# Altium PCB Driver_BLDC.PcbDoc (part 1 of 3)
Units mm, origin at the board's own origin, x right, y up, seen from the top; angles counter-clockwise.
Board outline 199.8 x 169.8 mm, 2 copper layers (Top Layer, Bottom Layer), stack 1.371 mm thick; 322 components, 137 nets, 857 pads, 186 vias.
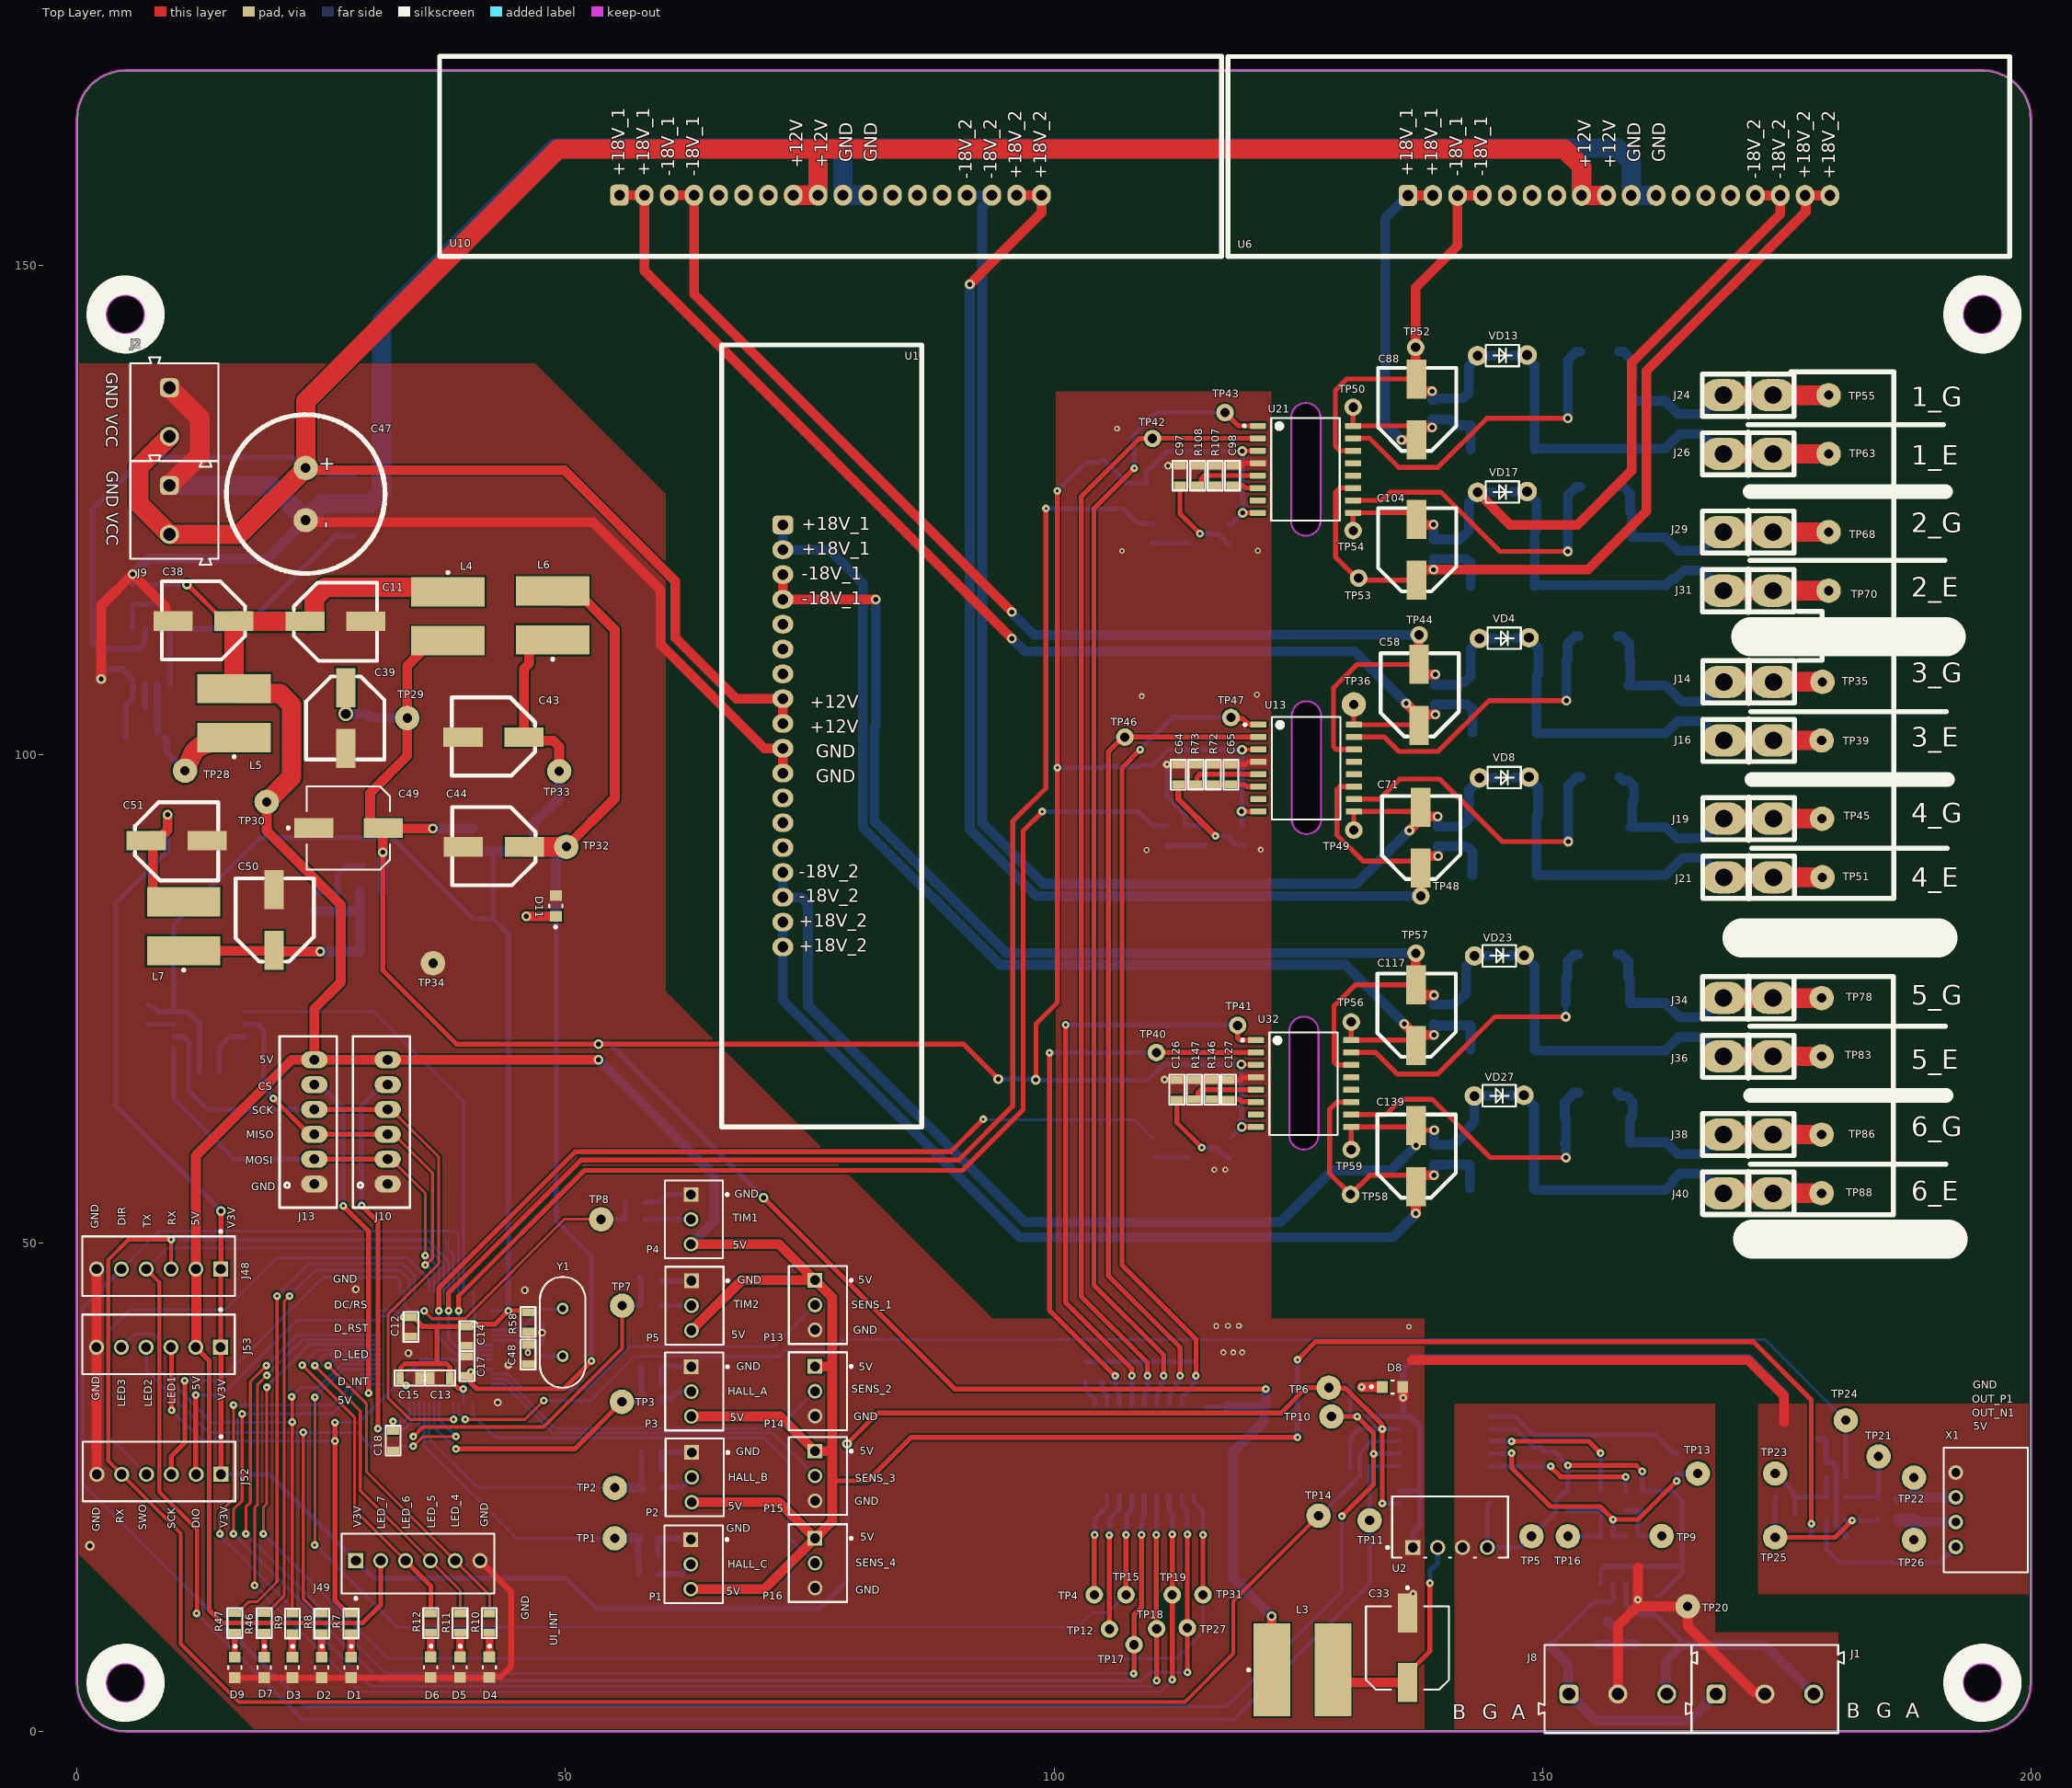
[diagram p0: Top Layer view]
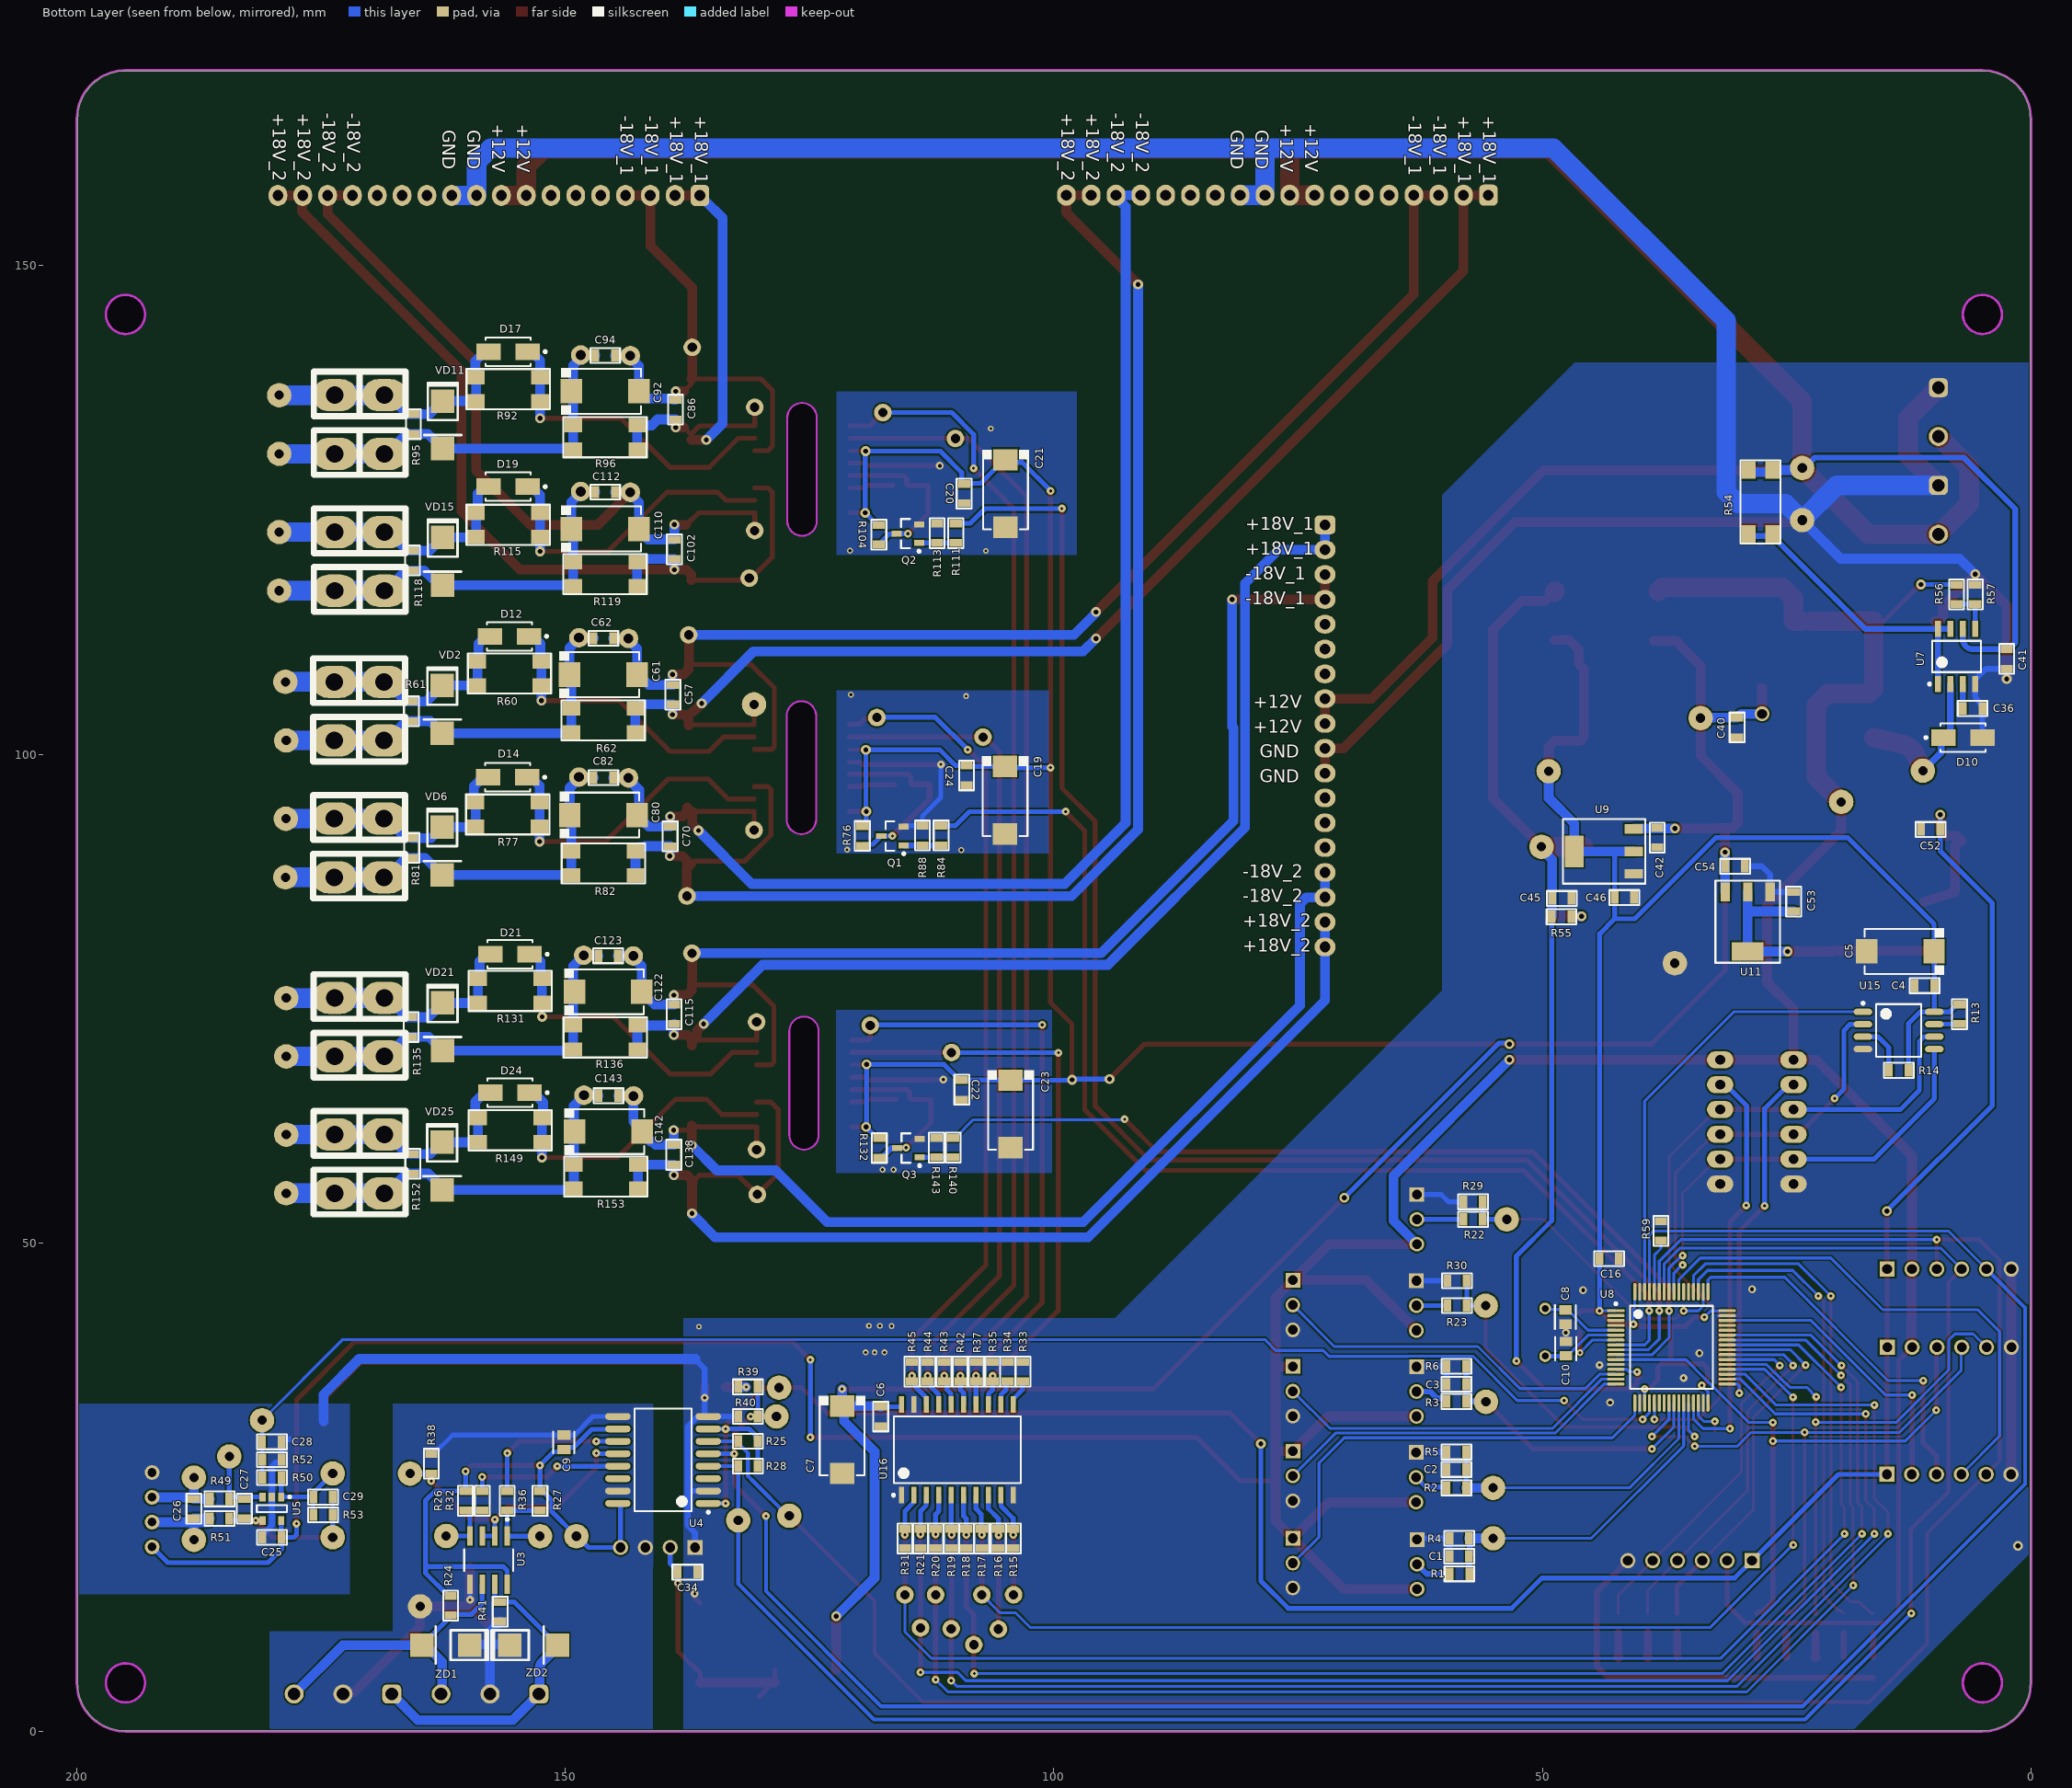
[diagram p1: Bottom Layer view, seen from below]
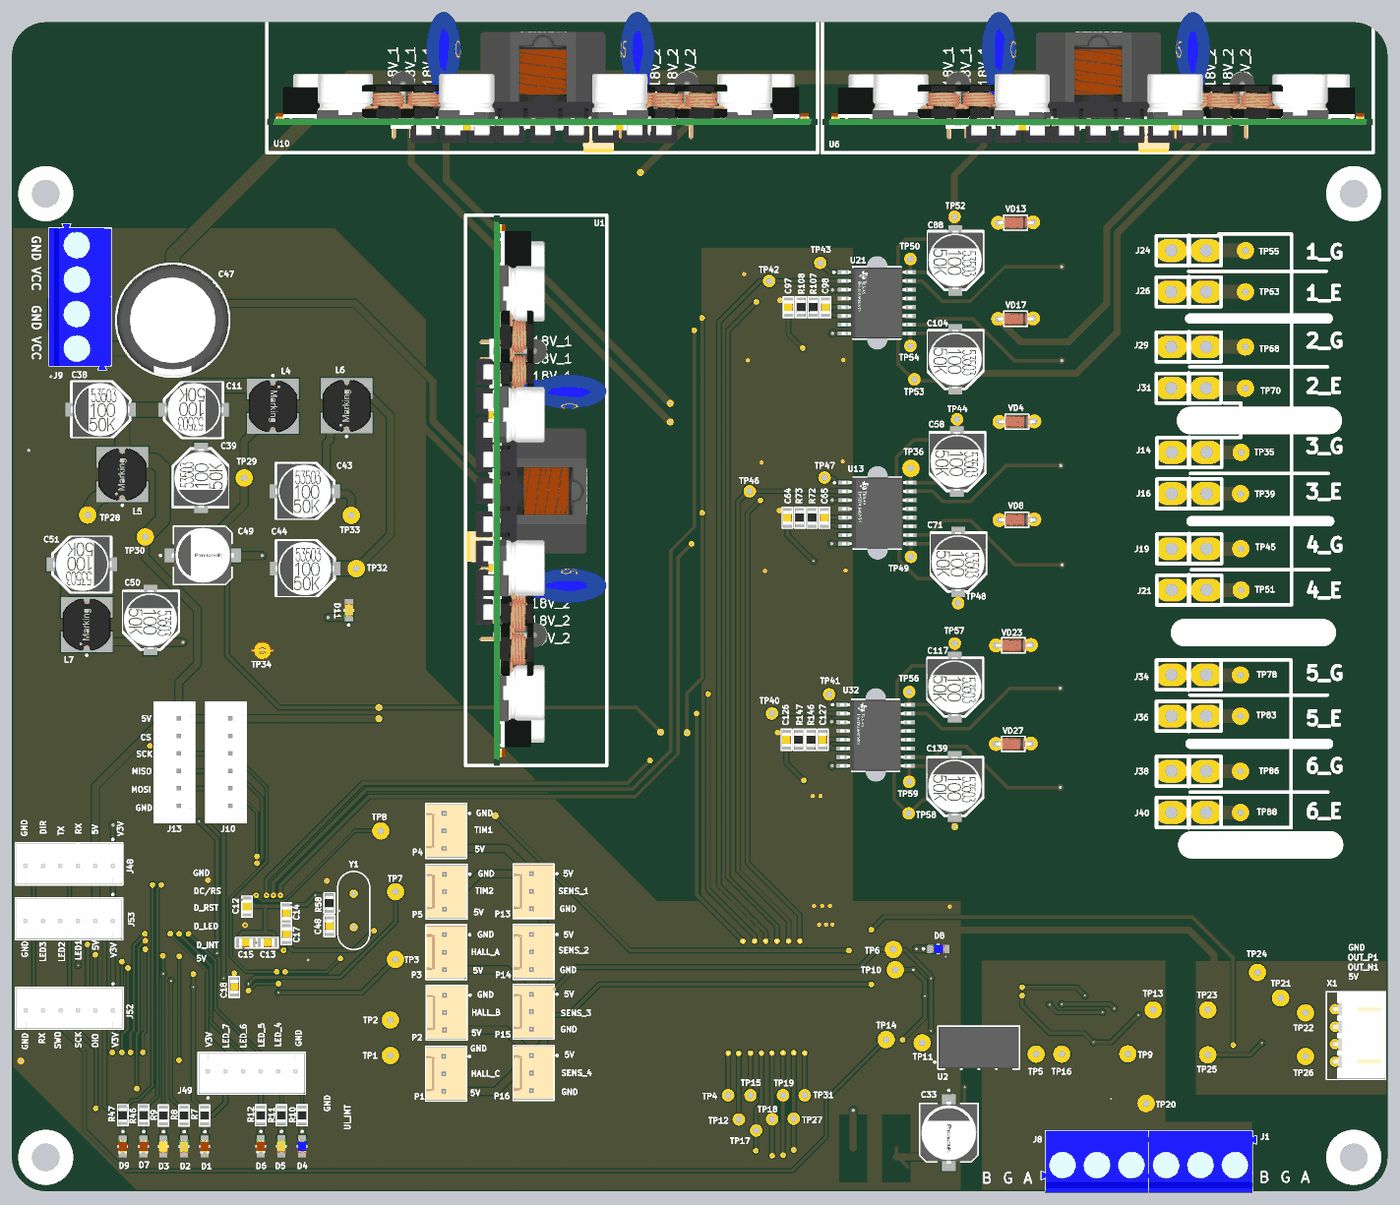
[diagram p4: 3D render of the assembled board from above, using the file's embedded part models]
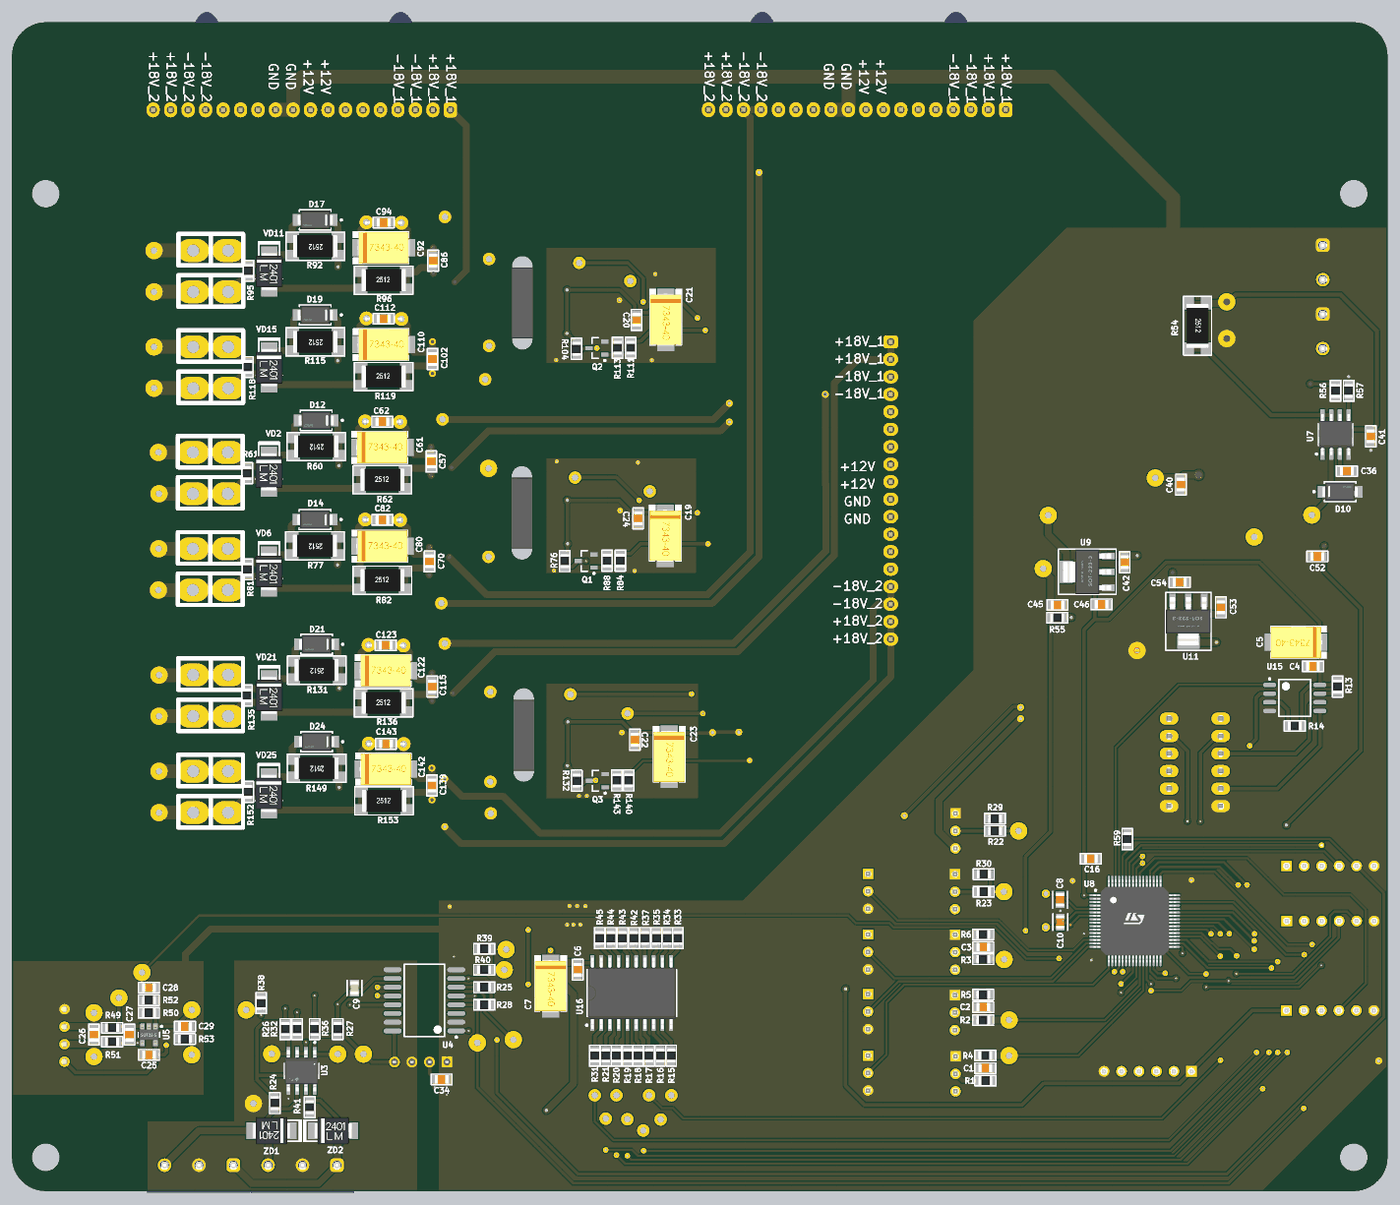
[diagram p5: 3D render of the assembled board from below, using the file's embedded part models]

## Layer stack, top to bottom
Top Solder: solder mask 0.0102, Solder Resist, Dk 3.5
Top Layer: signal copper 0.0356
Dielectric 1: dielectric 1.3, FR-4, Dk 4.8
Bottom Layer: signal copper 0.0356
Bottom Solder: solder mask 0.0102, Solder Resist, Dk 3.5

## Board outline
5,0.1 cw(c5,5) 0.1,5 0.1,5.006 0.1,164.997 0.1,165 cw(c5,165) 5,169.9 195.013,169.9 cw(c195,165) 199.9,165 199.9,164.997 199.9,5 199.9,4.997 cw(c195,5) 195.002,0.1 195,0.1
cut-out: 5,3 cw(c5,5) 3,5 cw(c5,5) 5,7 cw(c5,5) 7,5 cw(c5,5)
cut-out: 193,5 ccw(c195,5) 195,3 ccw(c195,5) 197,5 ccw(c195,5) 195,7 ccw(c195,5)
cut-out: 5,143 cw(c5,145) 3,145 cw(c5,145) 5,147 cw(c5,145) 7,145 cw(c5,145)
cut-out: 195,143 cw(c195,145) 193,145 cw(c195,145) 195,147 cw(c195,145) 197,145 cw(c195,145)
cut-out: 124.275,123.848 124.275,134.447 cw(c125.775,134.447) 127.275,134.447 127.275,123.848 cw(c125.775,123.848)
cut-out: 124.337,93.333 124.337,103.932 cw(c125.837,103.932) 127.337,103.932 127.337,93.333 cw(c125.837,93.333)
cut-out: 124.075,61.059 124.075,71.658 cw(c125.575,71.658) 127.075,71.658 127.075,61.059 cw(c125.575,61.059)

## Design rules (kind name [scope] priority, off if disabled: settings)
Clearance HV [InNetClass('All Nets') vs InNetClass('HV')] p1: gap=0.2 ignorepadtopadclearanceinfootprint=TRUE except(0: Text-Text Text-Hole; 0.4: THPad-THPad THPad-Via THPad-Fill THPad-Poly THPad-Region THPad-Text THPad-Hole Via-Via Via-Fill Via-Poly Via-Region Via-Text Via-Hole; 0.5: SMDPad-SMDPad SMDPad-THPad SMDPad-Via SMDPad-Fill SMDPad-Poly SMDPad-Region SMDPad-Text SMDPad-Hole Fill-Fill Fill-Poly Fill-Region Fill-Text Fill-Hole Poly-Poly Poly-Region Poly-Text Poly-Hole Region-Region Region-Text Region-Hole)
Clearance Clearance_1 [All] p2: gap=0.18 ignorepadtopadclearanceinfootprint=TRUE
Clearance GND [InNet('GND')] p3: gap=0.4 ignorepadtopadclearanceinfootprint=TRUE except(0.3: Text-Text Text-Hole)
ComponentClearance [All] p1: gap=-2.254 collisioncheckmode=3 verticalgap=0.254 showdistances=FALSE
DiffPairsRouting [All] p1: maxlimit=0.254 minlimit=0.1 mostfreqgap=0.254 toplayer_minwidth=0.3 toplayer_maxwidth=2 toplayer_prefwidth=0.3 bottomlayer_minwidth=0.3 bottomlayer_maxwidth=2 bottomlayer_prefwidth=0.3 maxuncoupledlength=12.7
Height [All] p1: minheight=0 maxheight=100 prefheight=12.7
HoleSize [All] p1: absolutevalues=TRUE maxlimit=5 minlimit=0.025 maxpercent=80.000 minpercent=20.000
HoleToHoleClearance [All] p1: gap=0 allowstackedmicrovias=TRUE
LayerPairs [All] p1 off: enforce=TRUE
MinimumSolderMaskSliver [All] p1: minsoldermaskwidth=0.01
PlaneClearance [All] p1: clearance=0.4
PlaneConnect [All] p1: planeconnectstyle=Direct reliefexpansion=0.508 reliefentries=4 reliefconductorwidth=0.254 reliefairgap=0.254
PolygonConnect [All] p1: connectstyle=Direct reliefconductorwidth=0.254 reliefentries=4 polygonreliefangle="90 Angle" airgapwidth=0.254
RoutingCorners [All] p1: cornerstyle=45-Degree minsetback=0.2 maxsetback=0.2
RoutingVias [All] p1: holewidth=0.4 width=0.8 viastyle="Through Hole" minholewidth=0.254 minwidth=0.5 maxholewidth=0.75 maxwidth=1.5
ShortCircuit [All] p1: allowed=TRUE
SilkToSilkClearance [All] p1 off: silktosilkclearance=0.01
SilkToSolderMaskClearance [All] p1: minsilkscreentomaskgap=0 clearancetoexposedcopper=FALSE
SolderMaskExpansion [All] p1: expansion=0 istentingtop=FALSE
UnRoutedNet [All] p1: checkbadconnections=TRUE
Width [All] p1: maxlimit=10 minlimit=0.254 preferedwidth=2
16 further rules are at their usual default settings.

## Components (designator, comment, footprint, x,y, rotation, side; value= is the part's Value field where it differs from the comment)
C1 "330pF" CAP-0805 58.522,17.957 r180 bottom
C2 "330pF" CAP-0805 58.826,26.832 r180 bottom
C3 "330pF" CAP-0805 58.823,35.552 r180 bottom
C4 "100n" CAP-0805 10.925,76.33 r180 bottom
C5 "CAP-POLAR" CAP-TAN-D 13.4,79.83 r0 bottom
C6 "100n" CAP-0805 117.725,32.25 r90 bottom
C7 "CAP-POLAR" CAP-TAN-D 121.675,29.875 r270 bottom
C8 "16pF" FP-GRM21B-0_1-IPC_C 47.66,42.42 r270 bottom
C9 "C0805C224K5RACTU" FP-C0805C-DN-MFG 150.147,29.604 r90 bottom value="0.22 μF"
C10 "16pF" FP-GRM21B-0_1-IPC_C 47.627,39.186 r90 bottom
C11 "330uF 16V" CAP_SMD_Size_E 26.55,113.614 r180 top
C12 "CAP-NON-POLAR" CAP-0805 34.213,41.42 r270 top
C13 "CAP-NON-POLAR" CAP-0805 37.22,36.186 r180 top
C14 "CAP-NON-POLAR" CAP-0805 39.953,40.465 r270 top
C15 "CAP-NON-POLAR" CAP-0805 34.064,36.186 r0 top
C16 "CAP-NON-POLAR" CAP-0805 43.189,48.387 r180 bottom
C17 "CAP-NON-POLAR" CAP-0805 39.953,37.42 r270 top
C18 "2,2uF 6,3V" CAP-0805 32.385,29.769 r90 top
C19 "CAP-POLAR" CAP-TAN-D 105.004,95.301 r270 bottom
C20 "CAP-NON-POLAR" CAP-0805 109.184,126.67 r90 bottom
C21 "CAP-POLAR" CAP-TAN-D 104.953,126.67 r270 bottom
C22 "CAP-NON-POLAR" CAP-0805 109.425,65.674 r90 bottom
C23 "CAP-POLAR" CAP-TAN-D 104.445,63.195 r270 bottom
C24 "CAP-NON-POLAR" CAP-0805 108.941,97.841 r90 bottom
C25 "0.1uF" CAP-0805 180.013,19.891 r180 bottom locked
C26 "0.1uF" CAP-0805 187.993,22.818 r90 bottom locked
C27 "0.1uF" CAP-0805 182.836,22.818 r90 bottom locked
C28 "1000pF" CAP-0805 180.019,29.657 r0 bottom locked
C29 "0.1uF" CAP-0805 174.793,23.998 r0 bottom locked
C33 "1000uF_10V" CAP_SMD_Size_G 136.175,8.575 r270 top
C34 "CAP-NON-POLAR" CAP-0805 137.498,16.325 r0 bottom
C36 "470pF" CAP-0805 6.005,104.691 r180 bottom
C38 "330uF 16V" CAP_SMD_Size_E 12.925,113.629 r0 top
C39 "1000uF 6.3V" CAP_SMD_Size_E 27.55,103.647 r90 top locked
C40 "0.1uF" CAP-0805 30.1,102.739 r90 bottom
C41 "0.47uF" CAP-0805 2.52,109.749 r270 bottom
C42 "0.1uF" CAP-0805 38.27,91.459 r90 bottom
C43 "1000uF_6.3V" CAP_SMD_Size_E 42.59,101.759 r0 top
C44 "1000uF_6.3V" CAP_SMD_Size_E 42.63,90.534 r0 top
C45 "0.1uF" CAP-0805 48.035,85.247 r0 bottom
C46 "0.1uF" CAP-0805 41.63,85.339 r0 bottom
C47 "25V_2200uF" "HITANO 3300uF 25V  16x25" 23.444,126.619 r270 top locked
C48 "0.1uF" CAP-0805 46.195,38.594 r90 top
C49 "1000uF_10V" CAP_SMD_Size_G 27.81,92.459 r0 top locked
C50 "1000uF_6.3V" CAP_SMD_Size_E 20.21,83.109 r270 top locked
C51 "1000uF_6.3V" CAP_SMD_Size_E 10.3,91.159 r180 top
C52 "0.1uF" CAP-0805 10.3,92.302 r180 bottom
C53 "0.1uF" CAP-0805 24.31,84.919 r270 bottom
C54 "0.1uF" CAP-0805 30.29,88.539 r0 bottom
C57 "CAP-NON-POLAR" CAP-0805 138.987,106.103 r270 bottom
C58 "100uF_50V" CAP_SMD_Size_E 137.367,106.143 r270 top
C61 "CAP-POLAR" CAP-TAN-D 146.101,108.148 r180 bottom
C62 "CAP-NON-POLAR" CAP-0805 146.101,111.871 r0 bottom
C64 "CAP-NON-POLAR" CAP-0805 112.728,97.927 r270 top
C65 "CAP-NON-POLAR" CAP-0805 118.117,97.927 r270 top